# Altium PCB main.PcbDoc (part 1 of 2)
Units mm, origin at the board's own origin, x right, y up, seen from the top; angles counter-clockwise.
Board outline 50 x 45 mm, 4 copper layers (Top Layer, GND, PWR, Bottom Layer), stack 1.561 mm thick; 115 components, 52 nets, 345 pads, 209 vias.
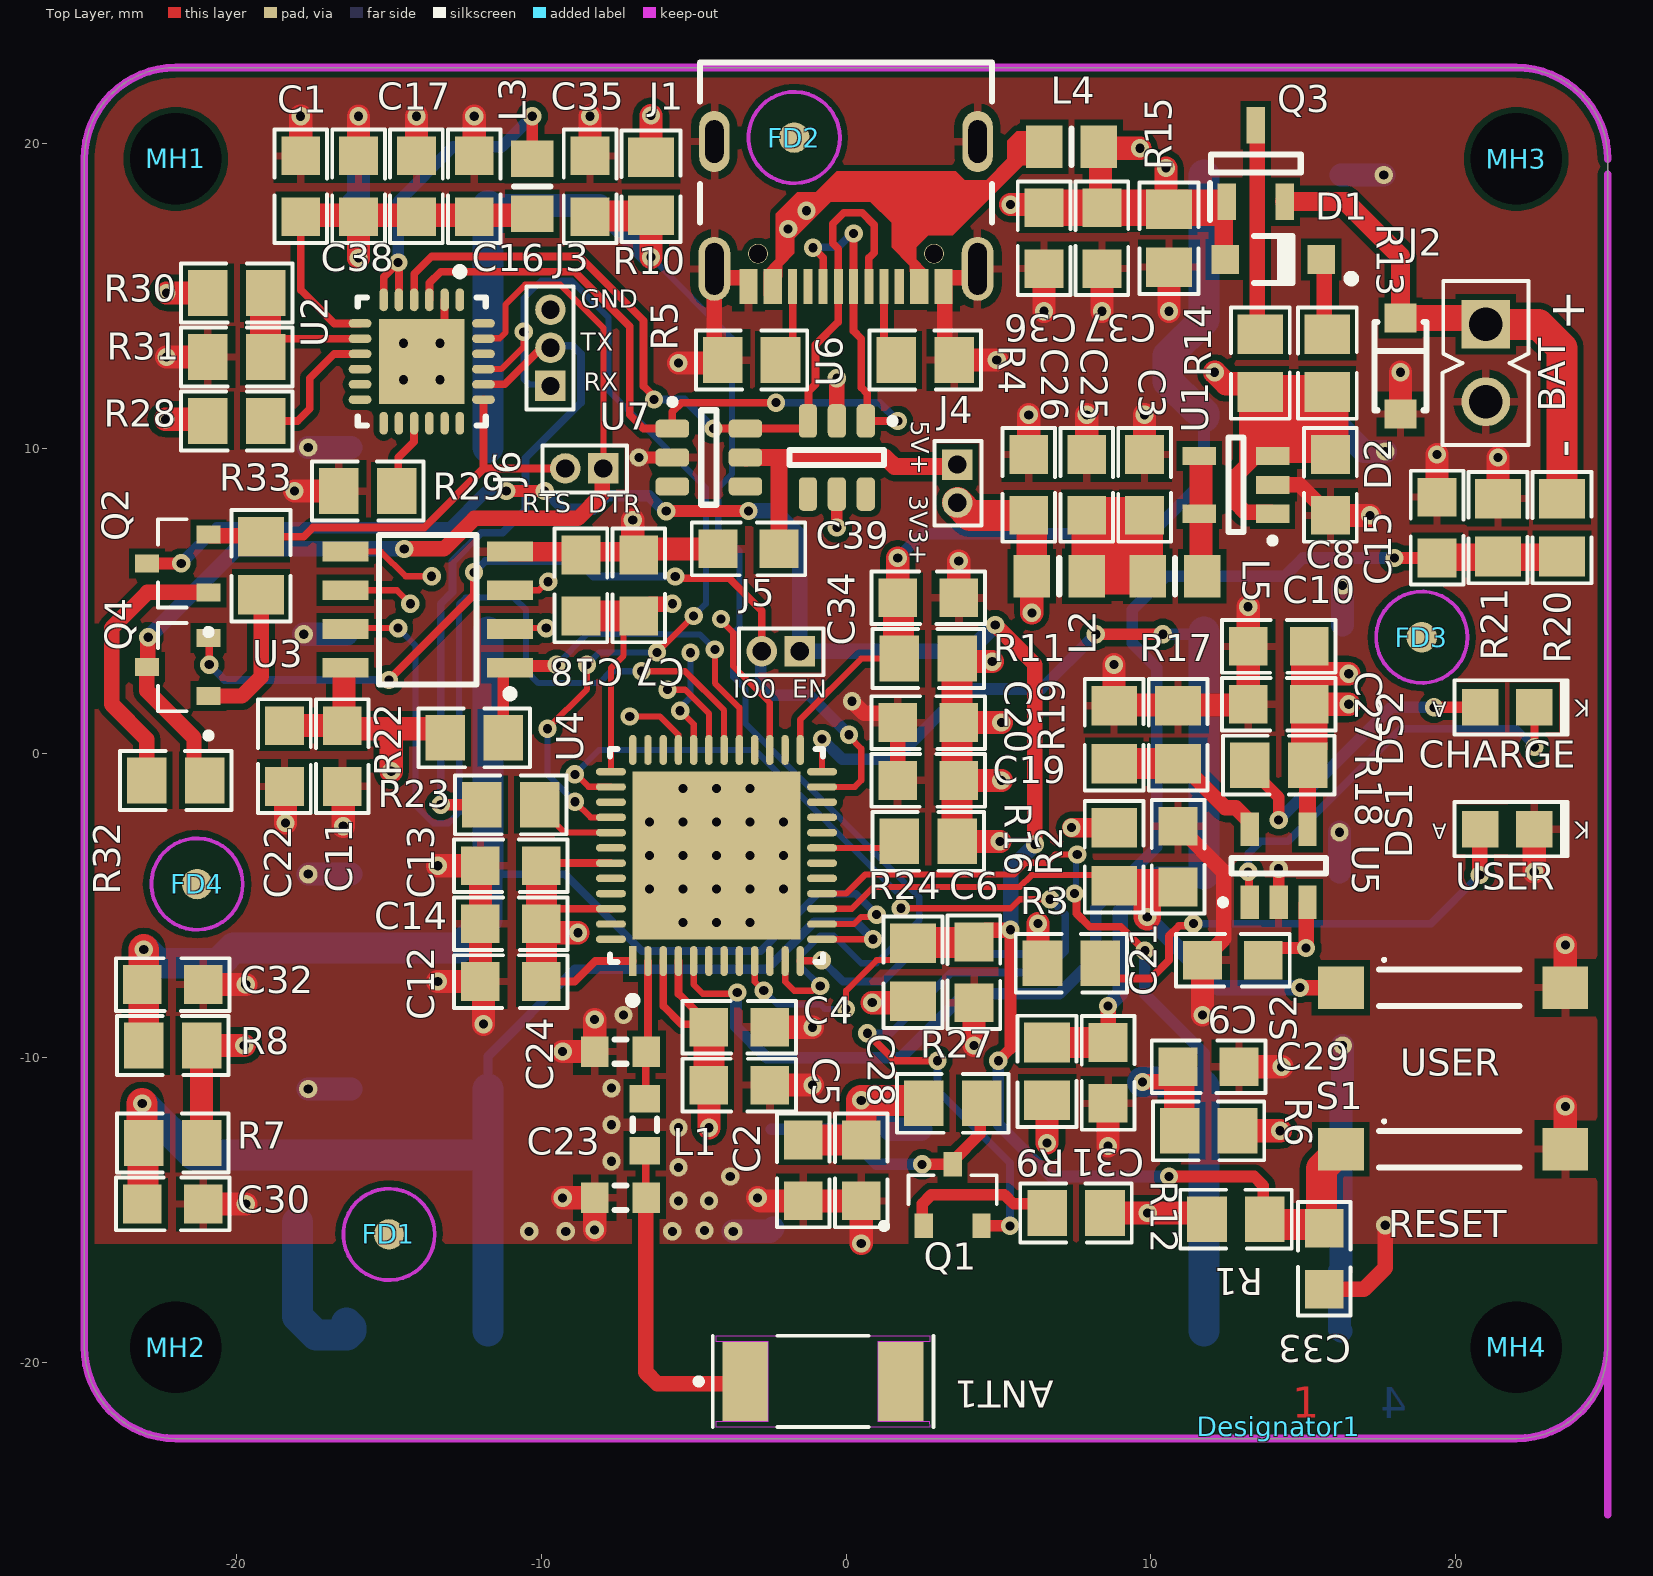
[diagram p0: Top Layer view]
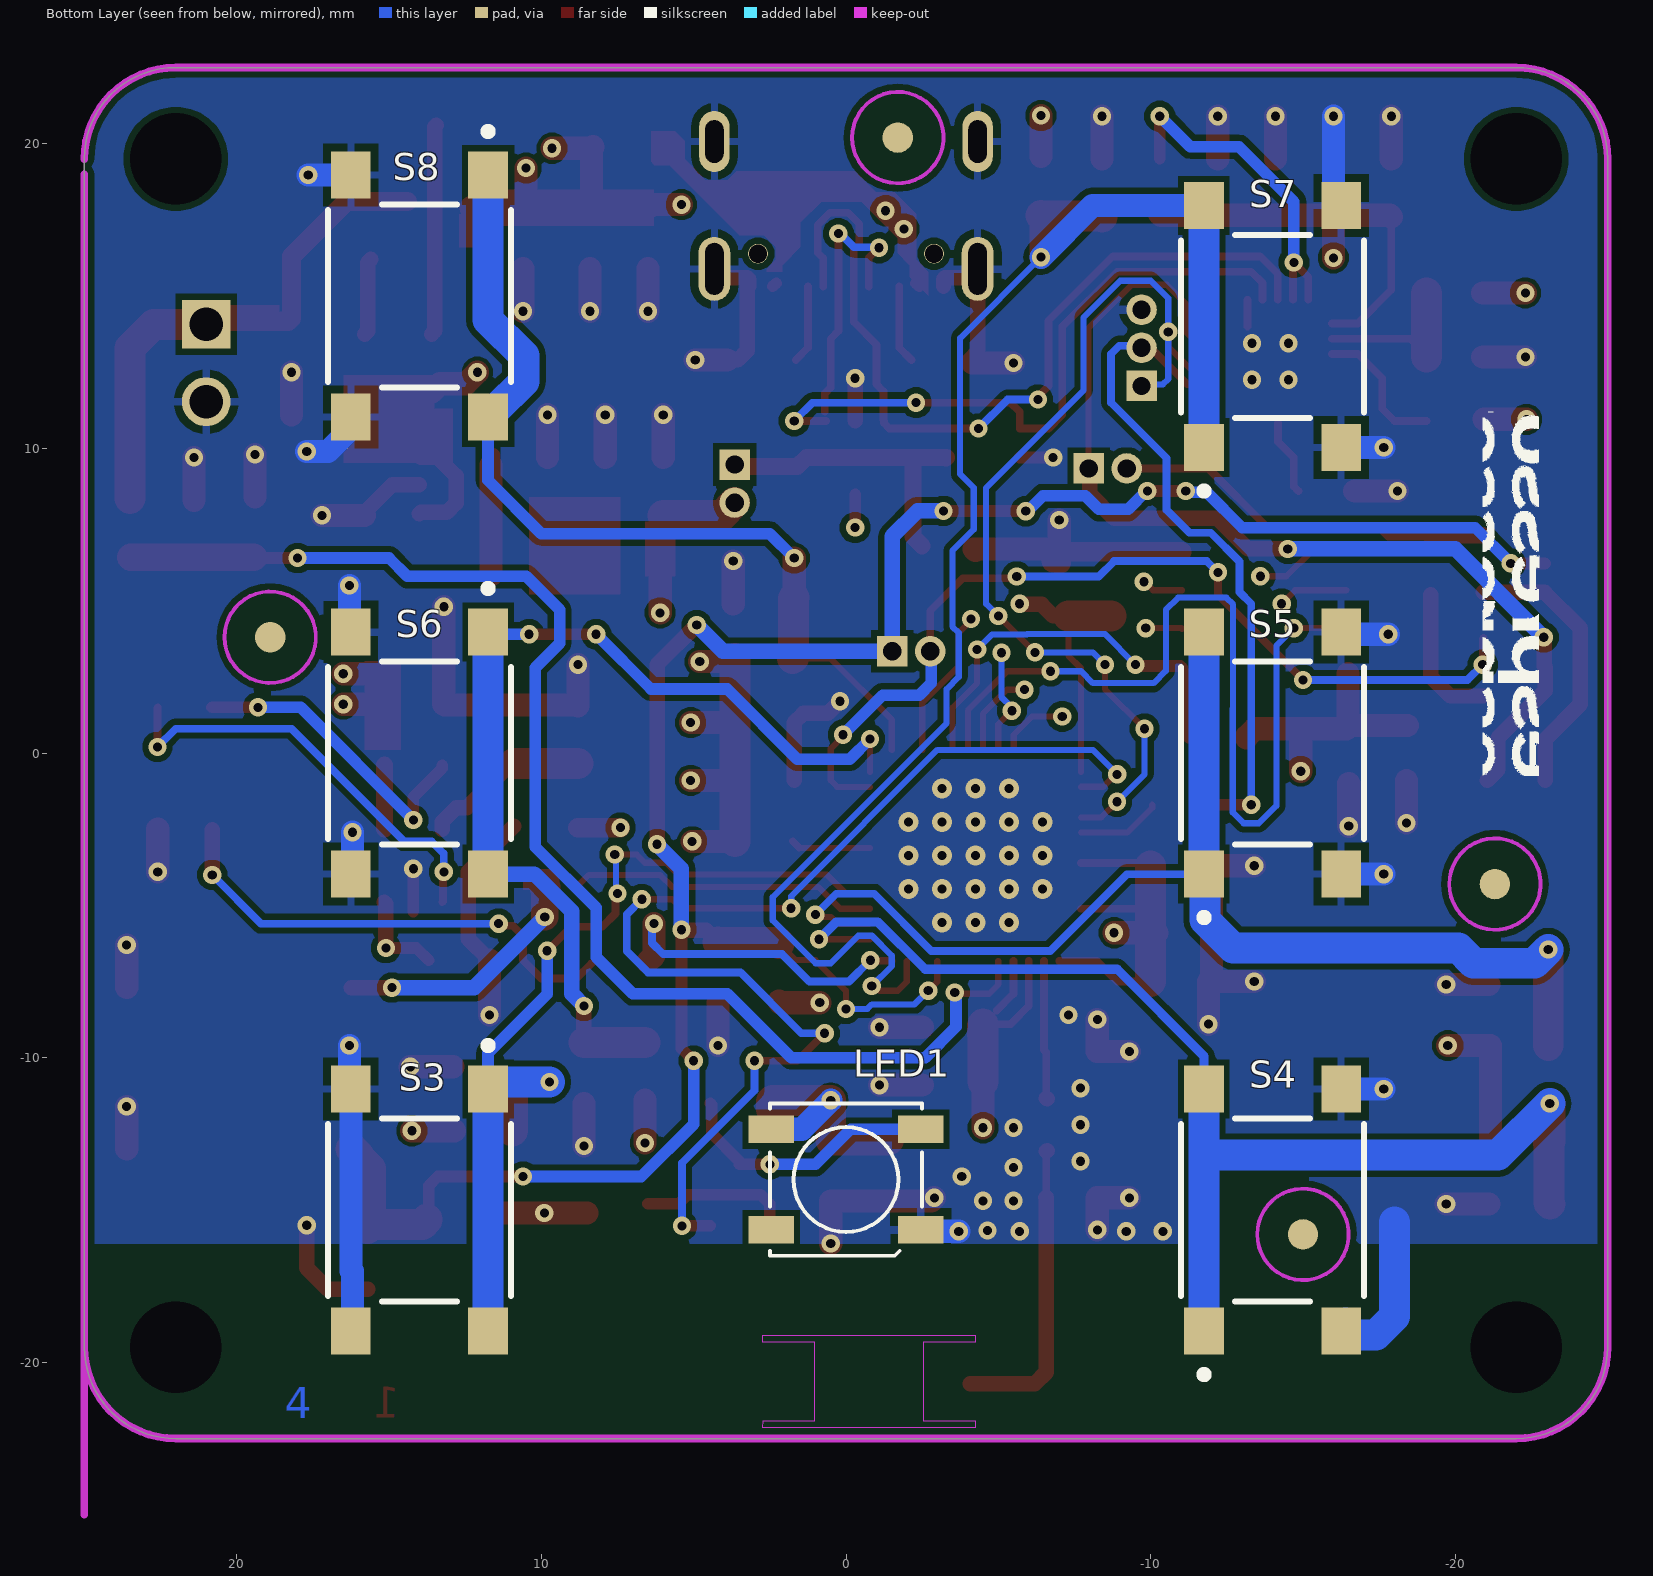
[diagram p1: Bottom Layer view, seen from below]
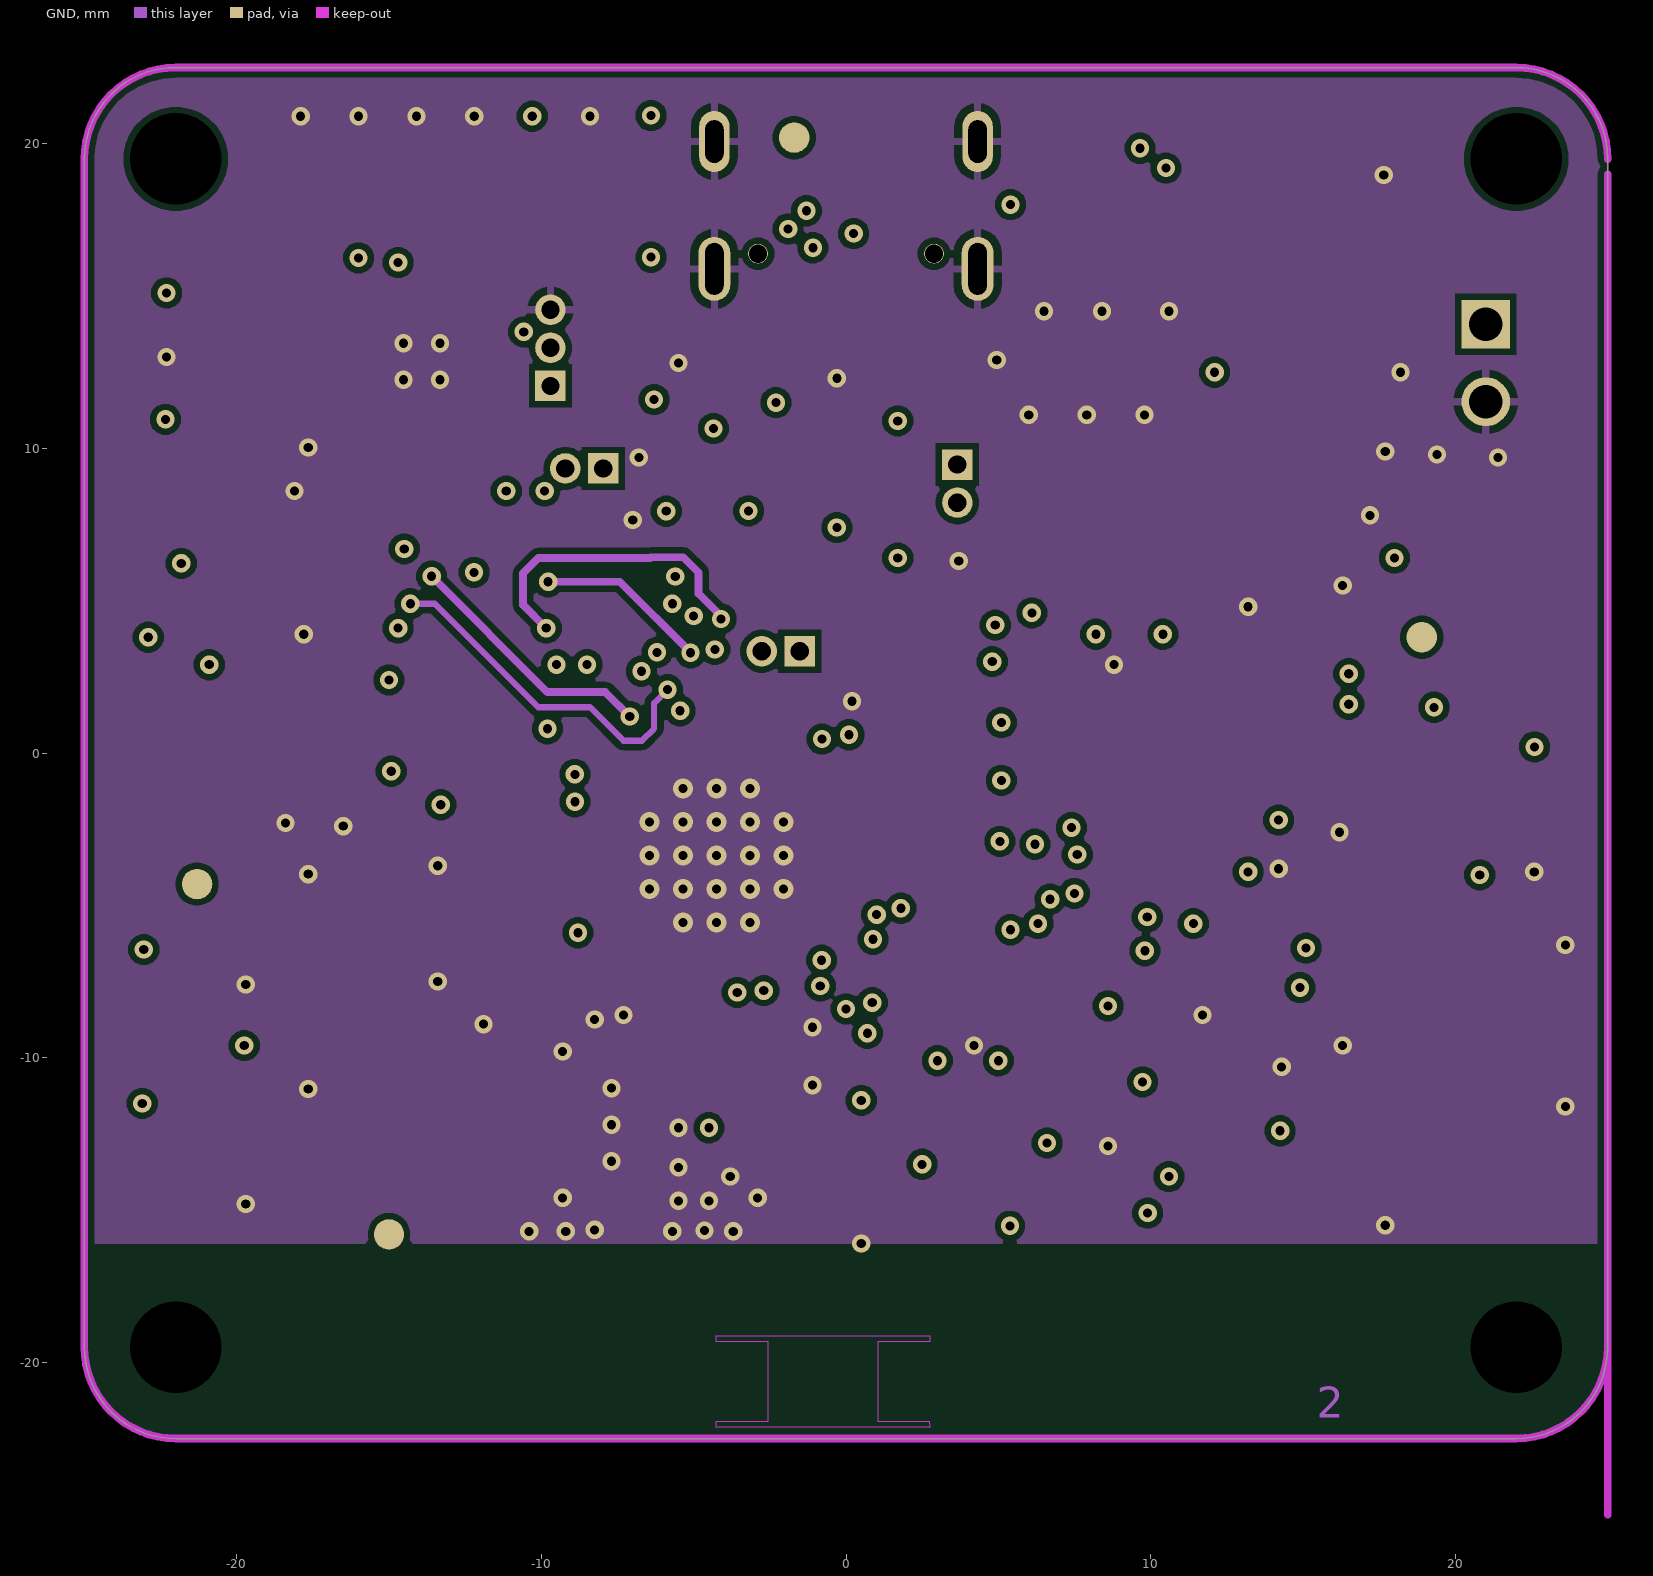
[diagram p2: GND]
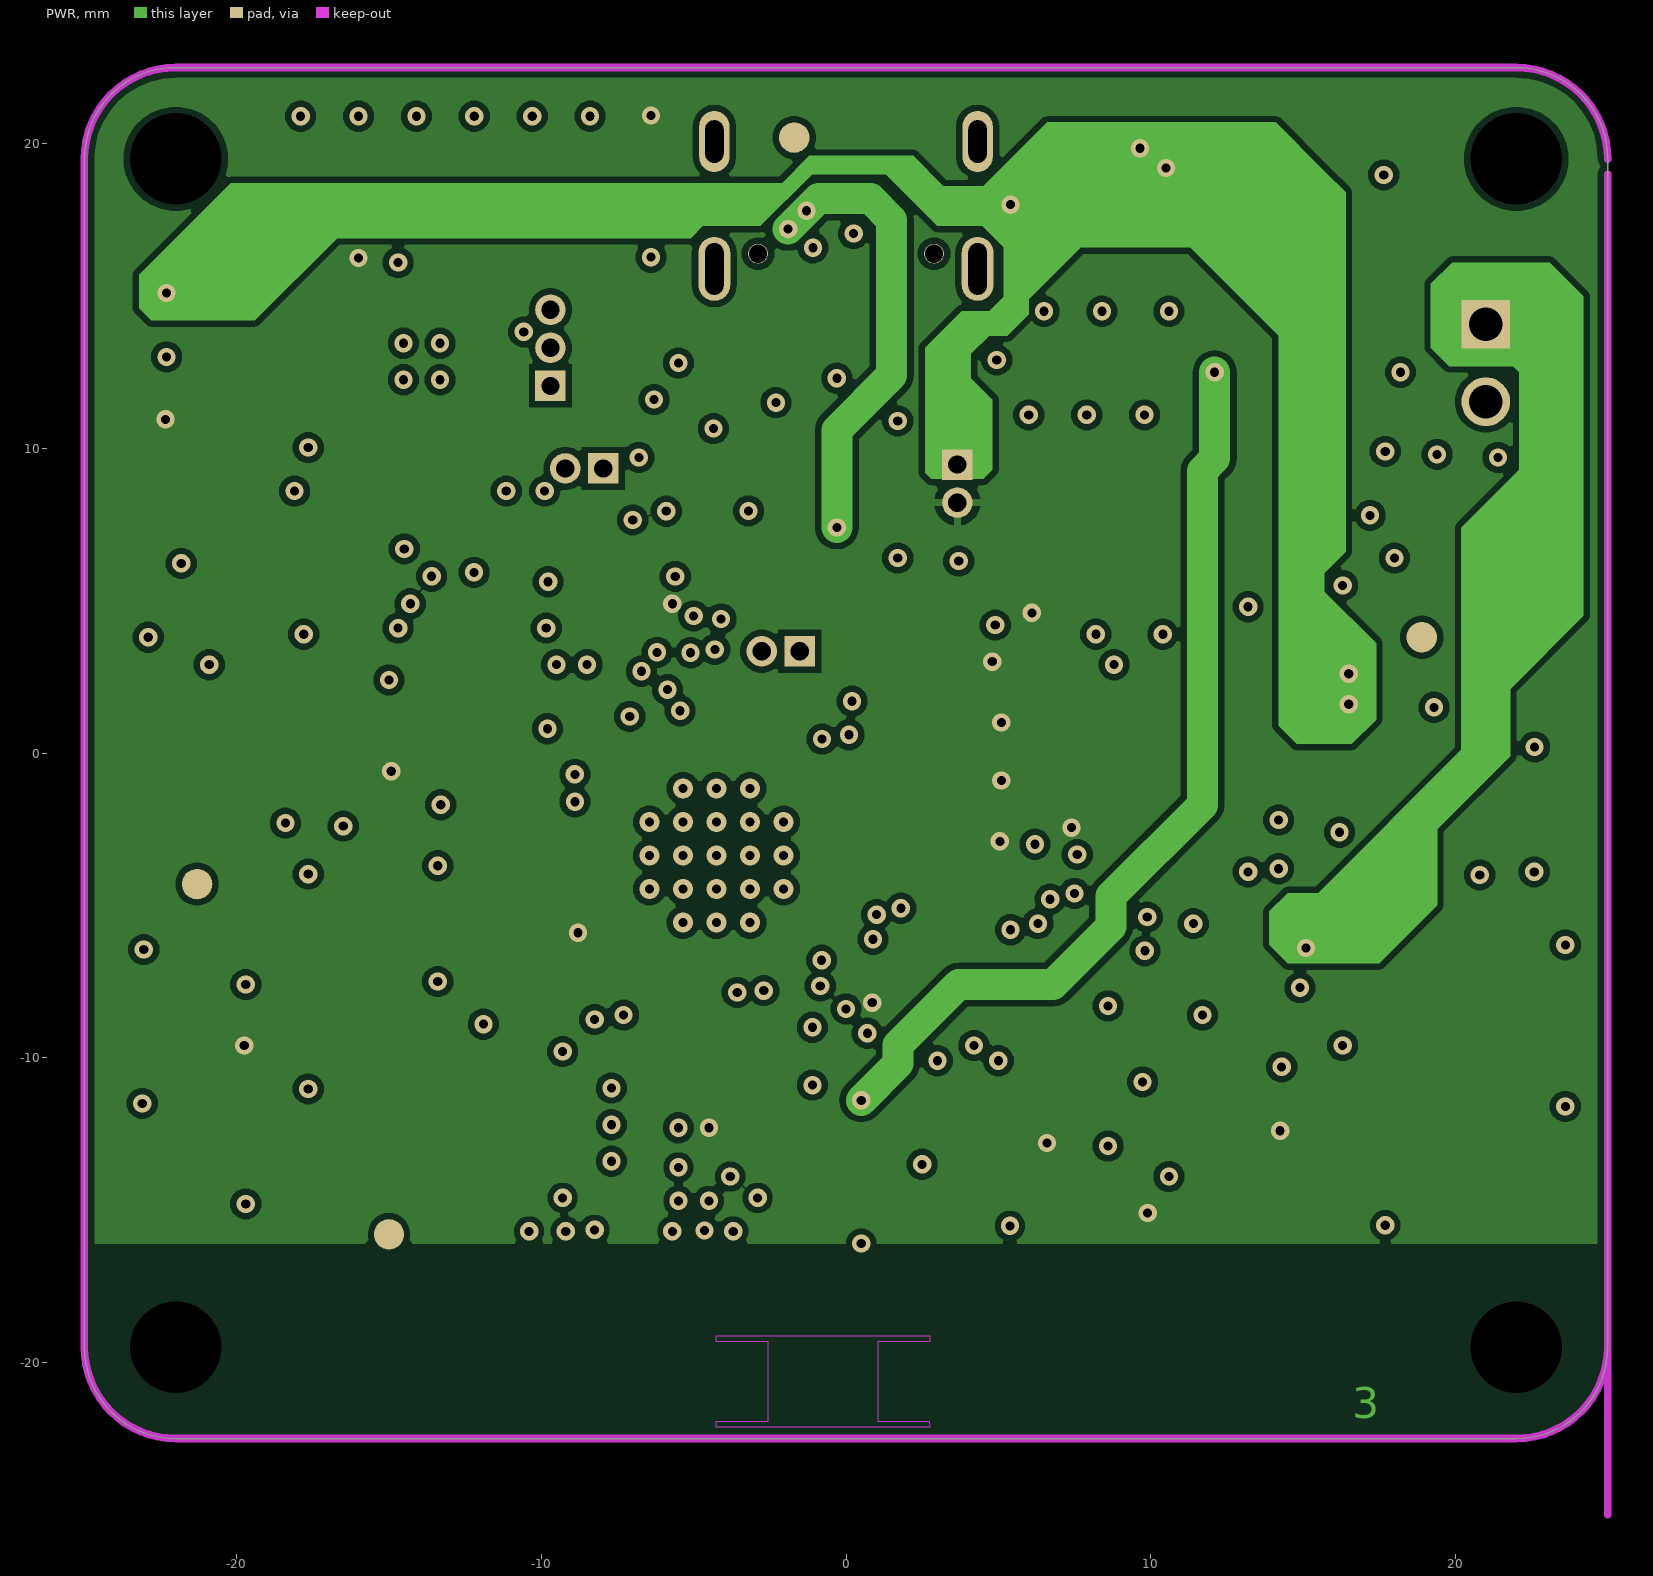
[diagram p3: PWR]
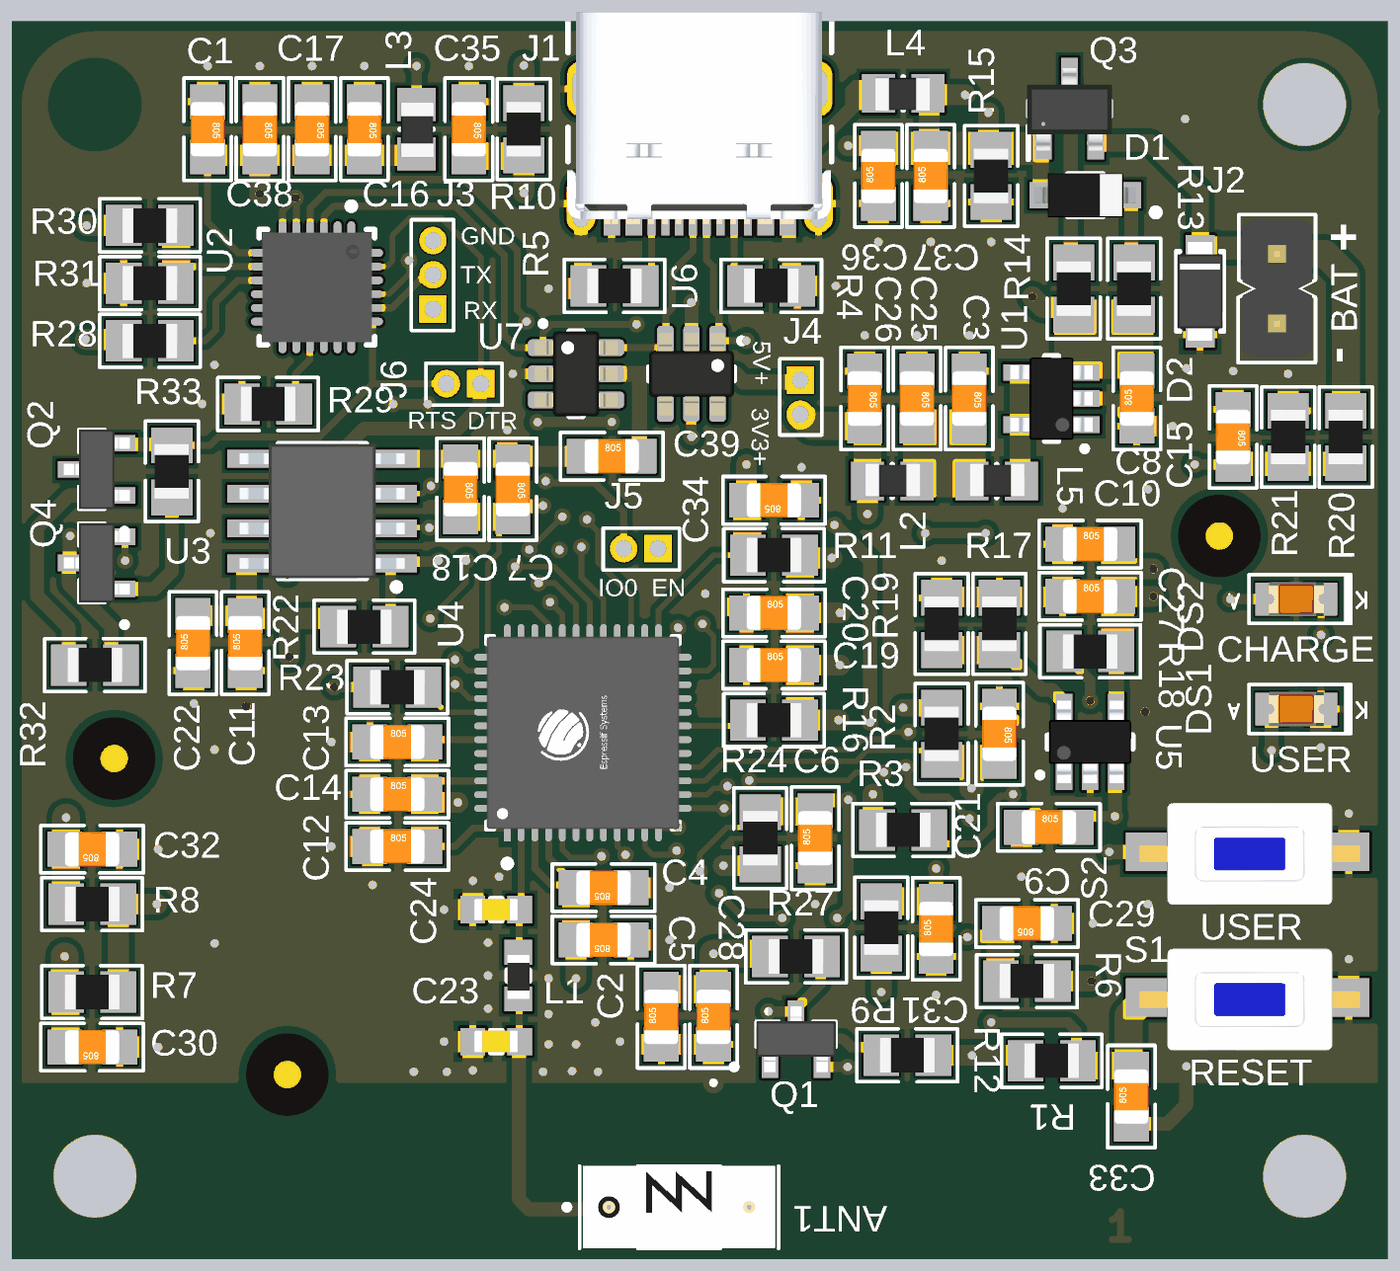
[diagram p5: 3D render of the assembled board from above, using the file's embedded part models]
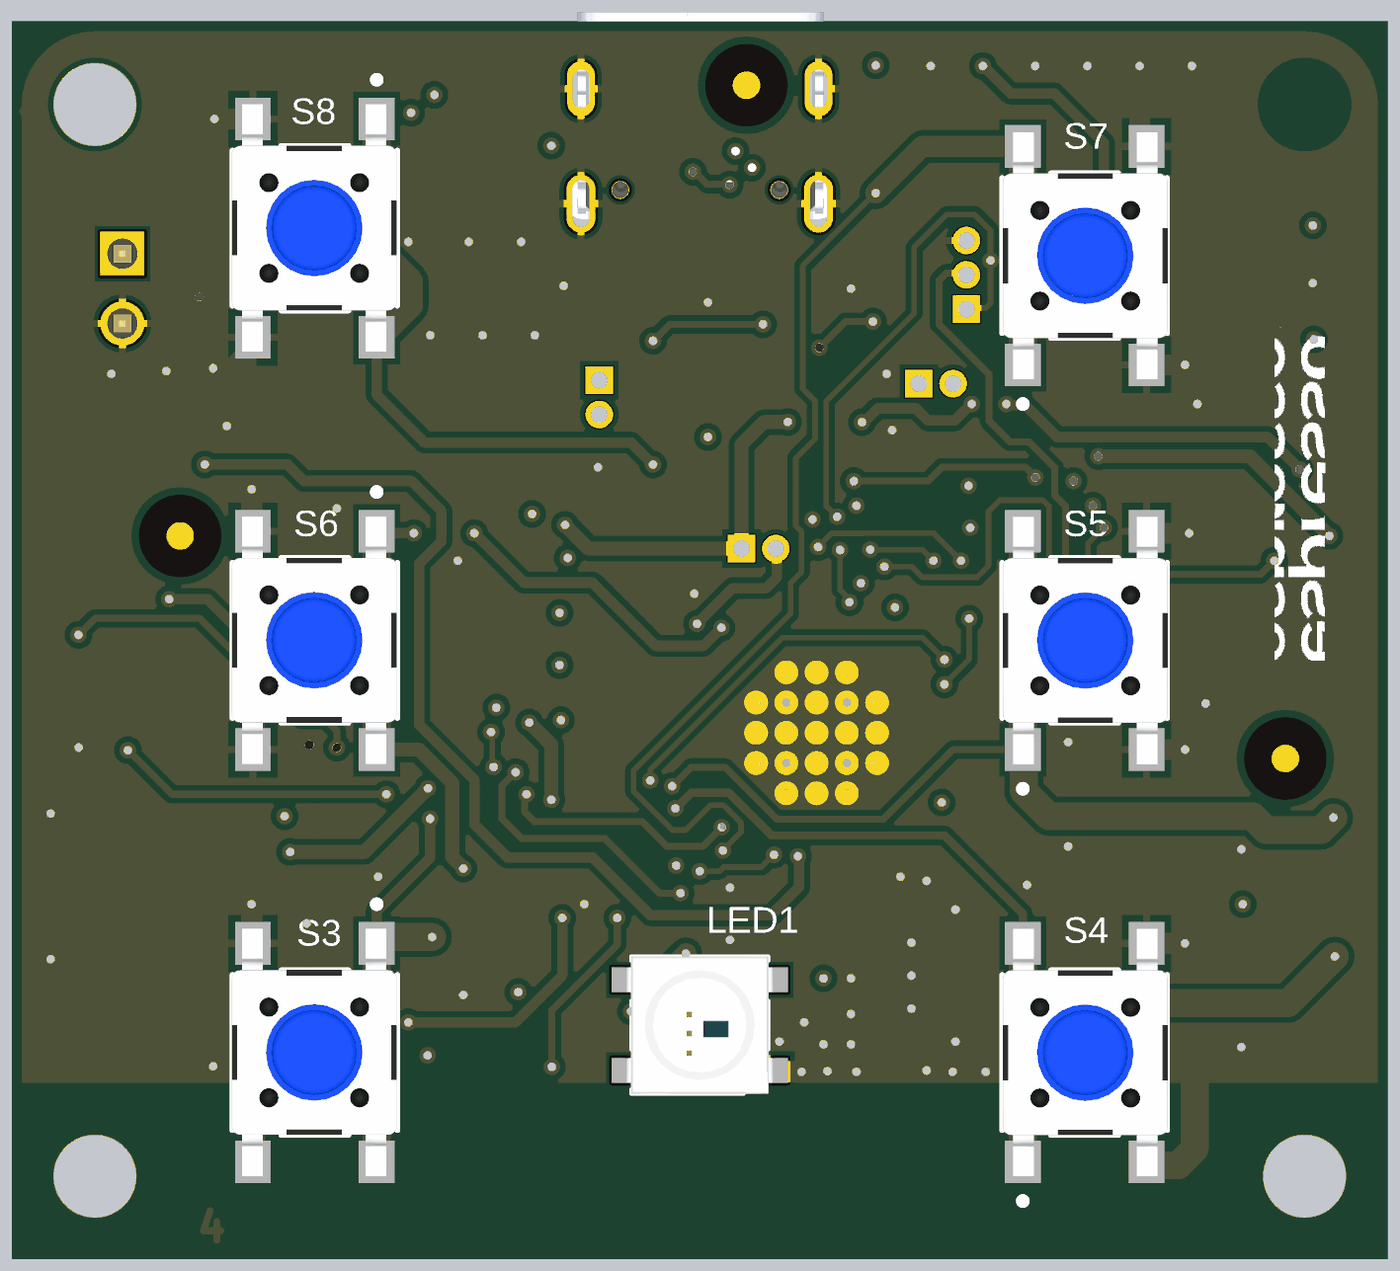
[diagram p6: 3D render of the assembled board from below, using the file's embedded part models]

## Layer stack, top to bottom
Top Solder: solder mask 0.0102, Solder Resist, Dk 3.5
Top Layer: signal copper 0.0356
Dielectric 2: prepreg 0.11, PP-006, Dk 4.1
GND: signal copper 0.035
Dielectric 1: dielectric 1.2, FR-4, Dk 4.8
PWR: signal copper 0.035
Dielectric 3: prepreg 0.11, PP-006, Dk 4.1
Bottom Layer: signal copper 0.0356
Bottom Solder: solder mask 0.0102, Solder Resist, Dk 3.5

## Board outline
-22,-22.5 cw(c-22,-19.5) -25,-19.5 -25,19.5 cw(c-22,19.5) -22,22.5 22,22.5 cw(c22,19.5) 25,19.5 25,-19.5 cw(c22,-19.5) 22,-22.5